# Altium PCB PCB1.PcbDoc (part 3 of 4)
Units mm, origin at the board's own origin, x right, y up, seen from the top; angles counter-clockwise.
Board outline 58.36 x 29.25 mm, 4 copper layers (Top Layer, Int1 (GND), Int2 (PWR), Bottom Layer), stack 1.586 mm thick; 90 components, 72 nets, 321 pads, 257 vias.
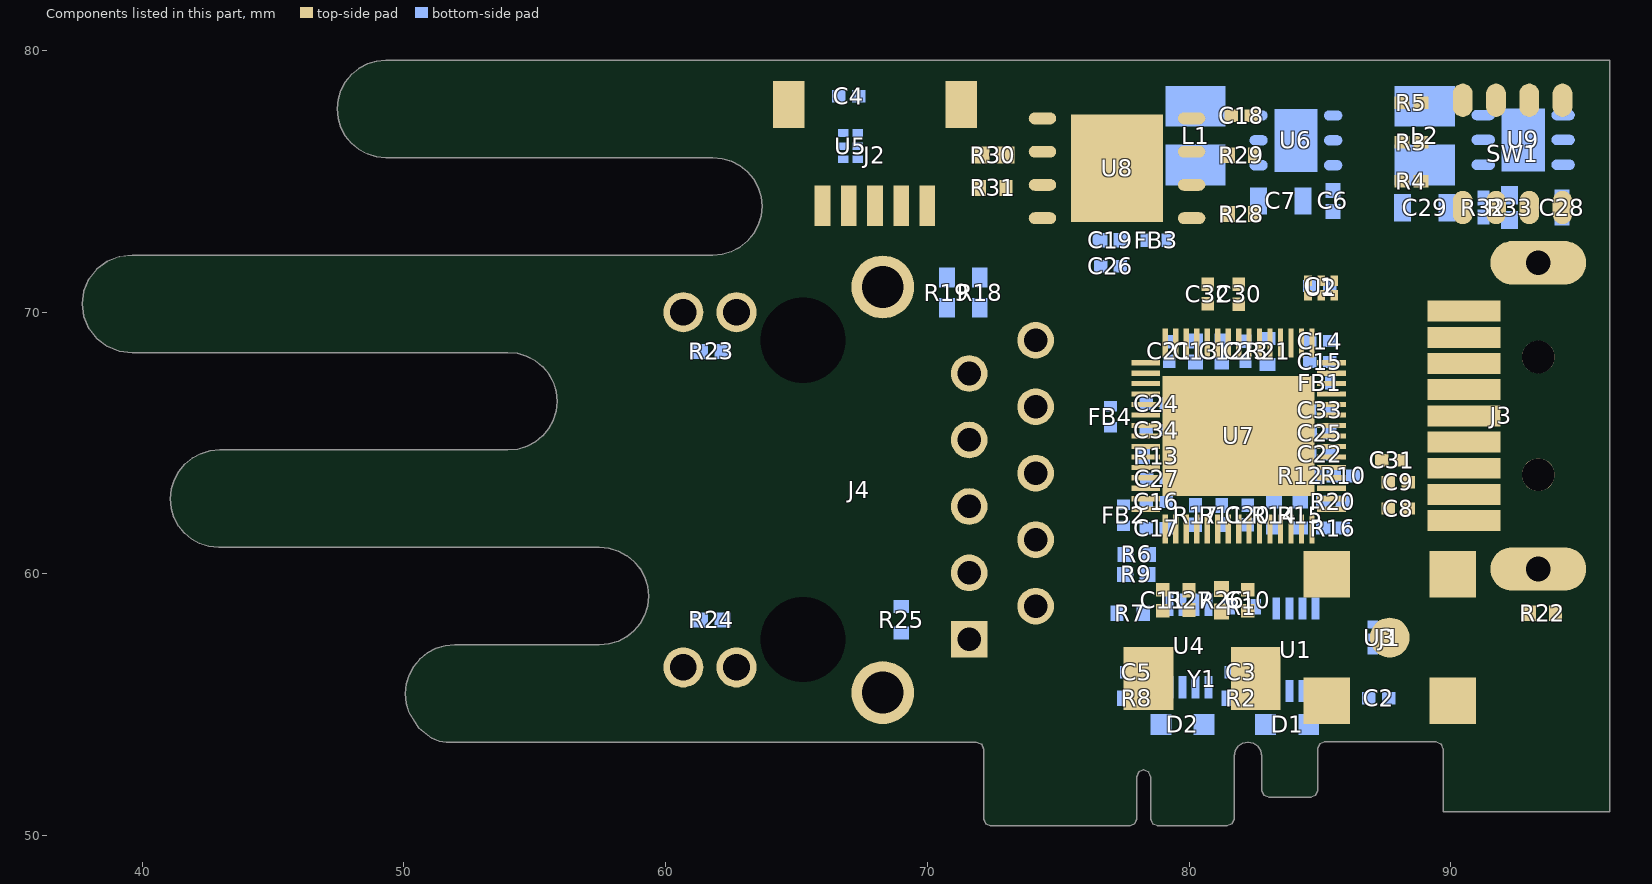
[diagram p5: the components of this part, seen from the top]

## Via types
v1: diameter 0.5, hole 0.3, Top Layer to Bottom Layer, tented both sides, 181 vias
v2: diameter 0.6, hole 0.3, Top Layer to Bottom Layer, tented bottom, 32 vias
v3: diameter 0.6, hole 0.3, Top Layer to Bottom Layer, tented both sides, 14 vias
v4: diameter 0.4, hole 0.3, Top Layer to Bottom Layer, tented both sides, 11 vias
v5: diameter 0.48, hole 0.3, Top Layer to Bottom Layer, tented both sides, 10 vias
v6: diameter 0.45, hole 0.3, Top Layer to Bottom Layer, tented both sides, 5 vias
v7: diameter 0.5, hole 0.3, Top Layer to Bottom Layer, tented bottom, 2 vias
v8: diameter 0.5, hole 0.3, Top Layer to Bottom Layer, 2 vias

## Nets (pads, with @x,y where several pads share a name; then routed paths per layer and width w, separated by ;. In a path a pad name is that pad's centre, name@x,y a point inside that pad or via, vN(x,y) a via of type N, cw(c..) or ccw(c..) an arc to the next point about the centre after c; other vN are vias at no path point) (continued)
copper on no net: (continued)
  Bottom Layer w0.013: 51.52,77.931 51.709,77.936 51.899,77.932 51.978,77.923 51.965,77.907 51.934,77.889 51.902,77.866 51.901,77.837 51.924,77.799 51.966,77.75 52.008,77.707 52.037,77.689 52.139,77.621 52.268,77.517 52.304,77.496 52.322,77.498 52.34,77.507 52.378,77.551 52.419,77.63 52.468,77.741 52.489,77.804 52.483,77.843 52.454,77.877 52.408,77.931 52.519,77.937 52.673,77.927 52.698,77.918 52.711,77.906 52.71,77.891 52.695,77.876 52.685,77.864 52.687,77.849 52.688,77.837 52.677,77.832 52.666,77.827 52.668,77.814 52.671,77.801 52.663,77.796 52.645,77.775 52.623,77.724 52.602,77.674 52.585,77.653 52.575,77.649 52.573,77.639 52.559,77.596 52.523,77.517 52.449,77.387 52.426,77.346 52.31,77.09 52.193,76.833 52.18,76.807 52.115,76.698 52.064,76.614 52.042,76.599 52.016,76.595 51.875,76.584 51.803,76.58 51.786,76.584 51.781,76.593 51.79,76.612 51.812,76.626 51.866,76.662 51.93,76.727 51.993,76.81 52.046,76.9 52.086,76.972 52.148,77.082 52.193,77.193 52.2,77.219 52.217,77.244 52.267,77.321 52.28,77.352 52.281,77.374 52.267,77.395 52.236,77.424 52.166,77.473 52.115,77.511 51.951,77.636 51.804,77.742 51.772,77.76 51.684,77.813 51.605,77.856 51.524,77.887 ; 59.251,78.553 59.256,78.674 59.122,78.674 58.989,78.674 58.983,78.565 58.982,78.481 58.99,78.432 58.994,78.411 58.983,78.395 58.971,78.391 58.974,78.401 58.977,78.418 58.968,78.432 58.954,78.472 58.95,78.547 58.956,78.624 58.971,78.671 58.983,78.688 58.97,78.692 58.96,78.696 58.954,78.707 58.952,78.75 58.95,78.795 58.942,78.805 58.931,78.809 58.925,78.812 58.938,78.821 59.006,78.849 59.093,78.878 59.161,78.893 59.178,78.893 59.173,78.888 59.105,78.865 59.04,78.846 59.004,78.828 58.988,78.806 58.982,78.771 58.983,78.7 59.124,78.692 59.257,78.692 59.252,78.803 59.254,78.888 59.26,78.91 59.269,78.918 59.281,78.919 59.277,78.915 59.267,78.875 59.269,78.799 59.28,78.725 59.288,78.701 59.296,78.692 59.306,78.688 59.294,78.677 59.283,78.663 59.277,78.638 59.276,78.547 59.287,78.45 59.3,78.433 59.321,78.426 59.35,78.414 59.361,78.391 59.358,78.374 59.348,78.378 59.293,78.42 59.261,78.434 59.256,78.431 59.258,78.422 59.255,78.412 59.236,78.406 59.139,78.406 59.012,78.413 59.129,78.423 59.245,78.432 59.251,78.553 ; 59.251,78.553 59.256,78.656 59.121,78.656 58.985,78.656 58.985,78.548 58.985,78.44 59.115,78.445 59.245,78.45 59.251,78.553 ; 51.604,77.886 51.606,77.9 51.623,77.914 51.634,77.918 51.63,77.906 51.627,77.896 51.631,77.892 51.668,77.895 51.701,77.9 51.692,77.888 51.677,77.871 51.679,77.855 51.681,77.851 51.676,77.85 51.647,77.858 51.618,77.872 51.604,77.886 ; 51.687,77.875 51.718,77.843 51.763,77.811 51.794,77.797 51.816,77.786 51.84,77.76 51.861,77.739 51.878,77.737 51.889,77.735 51.9,77.713 51.916,77.686 51.944,77.678 51.97,77.684 51.979,77.697 51.971,77.712 51.946,77.726 51.917,77.754 51.901,77.799 51.901,77.846 51.921,77.881 51.936,77.9 51.902,77.904 51.866,77.909 51.844,77.921 51.823,77.935 51.79,77.939 51.757,77.934 51.736,77.921 51.722,77.912 51.704,77.916 51.696,77.916 51.707,77.898 51.723,77.874 51.699,77.878 51.687,77.88 51.687,77.875 ; 51.917,76.62 51.93,76.601 51.966,76.596 51.991,76.599 51.981,76.611 51.972,76.619 51.973,76.626 52.004,76.638 52.042,76.644 52.065,76.642 52.073,76.65 52.072,76.682 52.074,76.725 52.093,76.755 52.113,76.78 52.122,76.805 52.129,76.822 52.146,76.823 52.162,76.825 52.162,76.853 52.167,76.899 52.189,76.953 52.219,76.998 52.249,77.017 52.265,77.026 52.269,77.048 52.273,77.081 52.291,77.118 52.313,77.146 52.333,77.151 52.335,77.15 52.323,77.157 52.31,77.176 52.319,77.206 52.336,77.229 52.351,77.238 52.384,77.24 52.385,77.247 52.375,77.256 52.367,77.272 52.374,77.305 52.439,77.449 52.507,77.572 52.533,77.609 52.548,77.621 52.56,77.625 52.559,77.64 52.561,77.678 52.579,77.73 52.604,77.776 52.627,77.796 52.638,77.799 52.636,77.807 52.633,77.826 52.643,77.854 52.653,77.886 52.652,77.915 52.629,77.934 52.583,77.937 52.525,77.929 52.501,77.899 52.487,77.868 52.504,77.829 52.52,77.788 52.515,77.751 52.504,77.733 52.499,77.739 52.494,77.753 52.483,77.753 52.475,77.731 52.476,77.691 52.476,77.657 52.466,77.631 52.446,77.614 52.417,77.608 52.411,77.604 52.42,77.594 52.433,77.578 52.433,77.558 52.407,77.515 52.36,77.484 52.335,77.479 52.313,77.486 52.303,77.487 52.315,77.47 52.328,77.446 52.319,77.434 52.305,77.423 52.295,77.399 52.284,77.316 52.278,77.288 52.262,77.287 52.251,77.291 52.253,77.281 52.259,77.258 52.254,77.234 52.242,77.216 52.228,77.214 52.217,77.212 52.206,77.192 52.189,77.097 52.179,77.065 52.161,77.052 52.138,77.044 52.122,77.025 52.116,77 52.125,76.977 52.131,76.965 52.129,76.955 52.095,76.936 52.059,76.916 52.059,76.905 52.068,76.89 52.081,76.871 52.058,76.876 52.037,76.88 52.039,76.867 52.044,76.846 52.038,76.824 52.027,76.812 52.023,76.828 52.019,76.844 52.009,76.834 52.003,76.812 52.006,76.787 51.997,76.75 51.96,76.696 51.927,76.652 51.917,76.62 ; 52.146,77.512 52.157,77.535 52.169,77.558 52.172,77.58 52.172,77.59 52.18,77.587 52.189,77.569 52.193,77.542 52.199,77.519 52.212,77.509 52.222,77.504 52.22,77.491 52.219,77.468 52.232,77.441 52.247,77.42 52.225,77.435 52.203,77.46 52.193,77.485 52.188,77.502 52.175,77.509 52.164,77.503 52.162,77.488 52.162,77.478 52.151,77.489 52.146,77.512 ; 52.193,76.616 52.244,76.601 52.356,76.587 52.471,76.581 52.531,76.586 52.53,76.599 52.512,76.615 52.468,76.644 52.442,76.676 52.43,76.714 52.432,76.762 52.443,76.816 52.457,76.844 52.519,76.954 52.57,77.07 52.592,77.105 52.605,77.116 52.619,77.12 52.664,77.104 52.699,77.081 52.713,77.061 52.721,77.048 52.74,77.043 52.759,77.037 52.767,77.022 52.77,77.011 52.778,77.012 52.798,77.008 52.831,76.984 52.906,76.919 52.924,76.909 52.934,76.912 52.948,76.907 52.967,76.884 52.988,76.857 53.006,76.846 53.037,76.827 53.083,76.781 53.127,76.728 53.151,76.687 53.151,76.655 53.135,76.625 53.107,76.59 53.376,76.584 53.645,76.595 53.519,76.656 53.431,76.697 53.394,76.723 53.388,76.734 53.374,76.739 53.24,76.81 53.107,76.898 53.019,76.961 52.877,77.073 52.827,77.115 52.794,77.133 52.762,77.148 52.716,77.184 52.671,77.235 52.669,77.256 52.676,77.281 52.693,77.317 52.712,77.338 52.725,77.357 52.731,77.385 52.736,77.409 52.749,77.42 52.761,77.424 52.764,77.433 52.768,77.461 52.785,77.504 52.831,77.583 52.852,77.615 52.865,77.651 52.894,77.711 52.952,77.784 53.021,77.85 53.081,77.888 53.125,77.908 53.143,77.925 53.108,77.936 53.026,77.939 52.935,77.935 52.871,77.923 52.836,77.885 52.771,77.775 52.511,77.269 52.193,76.616 ; 52.258,76.658 52.268,76.706 52.29,76.797 52.298,76.816 52.309,76.815 52.317,76.814 52.314,76.832 52.311,76.853 52.329,76.852 52.347,76.851 52.355,76.862 52.348,76.876 52.332,76.882 52.327,76.885 52.331,76.892 52.359,76.913 52.397,76.947 52.423,76.989 52.432,77.03 52.42,77.062 52.409,77.077 52.425,77.07 52.442,77.065 52.439,77.084 52.437,77.104 52.454,77.103 52.466,77.101 52.474,77.107 52.48,77.147 52.488,77.189 52.509,77.212 52.528,77.229 52.529,77.259 52.526,77.281 52.533,77.286 52.552,77.301 52.579,77.348 52.606,77.399 52.626,77.42 52.635,77.432 52.634,77.463 52.636,77.498 52.663,77.515 52.685,77.528 52.687,77.544 52.684,77.557 52.695,77.563 52.706,77.568 52.704,77.581 52.702,77.594 52.714,77.599 52.727,77.611 52.727,77.642 52.726,77.674 52.745,77.675 52.758,77.672 52.765,77.677 52.763,77.712 52.762,77.747 52.774,77.76 52.8,77.779 52.834,77.823 52.871,77.867 52.903,77.886 52.922,77.893 52.922,77.912 52.92,77.925 52.927,77.934 52.977,77.939 53.042,77.939 52.99,77.883 52.951,77.838 52.982,77.85 53.027,77.873 52.984,77.827 52.946,77.796 52.914,77.791 52.894,77.792 52.897,77.763 52.9,77.738 52.892,77.733 52.879,77.73 52.865,77.711 52.856,77.683 52.855,77.655 52.853,77.641 52.842,77.642 52.826,77.641 52.814,77.625 52.811,77.608 52.821,77.608 52.83,77.608 52.828,77.592 52.813,77.576 52.79,77.576 52.776,77.579 52.769,77.575 52.77,77.54 52.772,77.5 52.762,77.47 52.752,77.459 52.756,77.478 52.759,77.5 52.753,77.509 52.729,77.476 52.691,77.397 52.629,77.247 52.626,77.227 52.638,77.23 52.654,77.231 52.659,77.214 52.665,77.196 52.682,77.196 52.688,77.196 52.671,77.18 52.651,77.155 52.651,77.131 52.656,77.118 52.64,77.125 52.611,77.139 52.585,77.144 52.563,77.14 52.548,77.127 52.535,77.082 52.54,77.069 52.552,77.07 52.558,77.072 52.559,77.066 52.55,77.037 52.528,77.007 52.505,77.002 52.486,76.999 52.48,76.974 52.485,76.948 52.498,76.94 52.503,76.933 52.49,76.909 52.469,76.887 52.462,76.9 52.459,76.904 52.451,76.896 52.425,76.848 52.401,76.782 52.403,76.764 52.412,76.754 52.423,76.742 52.404,76.739 52.382,76.733 52.373,76.721 52.378,76.708 52.392,76.703 52.403,76.695 52.402,76.676 52.403,76.655 52.431,76.648 52.46,76.645 52.436,76.633 52.357,76.625 52.27,76.639 52.261,76.646 52.258,76.658 ; 52.682,77.111 52.709,77.128 52.736,77.142 52.747,77.155 52.752,77.156 52.764,77.137 52.78,77.117 52.792,77.111 52.816,77.114 52.815,77.108 52.794,77.097 52.768,77.084 52.797,77.08 52.827,77.075 52.845,77.063 52.849,77.049 52.834,77.037 52.829,77.03 52.847,77.027 52.87,77.022 52.859,77.01 52.844,76.994 52.84,76.979 52.834,76.982 52.812,77.013 52.782,77.046 52.757,77.054 52.732,77.058 52.703,77.08 52.682,77.111 ; 52.874,76.974 52.881,76.986 52.899,76.988 52.954,76.962 52.977,76.941 52.96,76.936 52.901,76.948 52.882,76.96 52.874,76.974 ; 53.076,76.851 53.082,76.86 53.094,76.864 53.101,76.872 53.095,76.89 53.088,76.906 53.103,76.895 53.119,76.873 53.125,76.85 53.132,76.834 53.15,76.834 53.171,76.831 53.185,76.807 53.199,76.782 53.222,76.78 53.249,76.778 53.276,76.754 53.3,76.731 53.321,76.729 53.335,76.73 53.34,76.715 53.351,76.694 53.376,76.68 53.403,76.667 53.411,76.651 53.4,76.637 53.372,76.63 53.342,76.626 53.367,76.612 53.378,76.605 53.373,76.602 53.313,76.606 53.244,76.618 53.205,76.632 53.184,76.638 53.161,76.626 53.145,76.614 53.159,76.635 53.181,76.655 53.199,76.657 53.21,76.654 53.215,76.663 53.195,76.69 53.147,76.733 53.107,76.775 53.082,76.817 53.076,76.851 ; 53.258,77.924 53.279,77.934 53.344,77.936 53.482,77.929 53.564,77.914 53.59,77.902 53.607,77.886 53.624,77.841 53.662,77.743 53.717,77.608 53.752,77.518 53.806,77.393 53.879,77.231 53.913,77.16 53.932,77.077 53.968,76.99 54.023,76.864 54.088,76.706 54.126,76.605 54.069,76.595 53.96,76.587 53.854,76.584 53.806,76.589 53.822,76.612 53.86,76.647 53.887,76.672 53.904,76.701 53.912,76.736 53.908,76.782 53.868,76.92 53.779,77.142 53.676,77.397 53.659,77.438 53.645,77.455 53.636,77.462 53.632,77.478 53.591,77.583 53.51,77.745 53.473,77.796 53.424,77.842 53.37,77.878 53.319,77.898 53.28,77.91 53.258,77.924 ; 53.456,77.841 53.462,77.873 53.492,77.897 53.516,77.906 53.533,77.904 53.548,77.888 53.567,77.857 53.594,77.817 53.604,77.813 53.613,77.819 53.622,77.827 53.628,77.819 53.628,77.756 53.634,77.722 53.653,77.685 53.673,77.661 53.681,77.662 53.69,77.656 53.708,77.617 53.726,77.569 53.705,77.59 53.682,77.614 53.688,77.577 53.689,77.534 53.661,77.508 53.635,77.497 53.635,77.507 53.638,77.521 53.63,77.527 53.62,77.538 53.622,77.564 53.622,77.602 53.609,77.642 53.59,77.672 53.58,77.679 53.571,77.678 53.563,77.679 53.566,77.695 53.566,77.717 53.554,77.734 53.541,77.739 53.547,77.723 53.554,77.707 53.531,77.723 53.512,77.745 53.522,77.761 53.532,77.778 53.515,77.803 53.479,77.83 53.469,77.83 53.468,77.818 53.469,77.804 53.466,77.806 53.456,77.841 ; 53.682,77.436 53.689,77.487 53.701,77.505 53.718,77.515 53.745,77.517 53.746,77.5 53.744,77.479 53.752,77.464 53.761,77.45 53.759,77.43 53.759,77.409 53.772,77.392 53.785,77.387 53.779,77.402 53.774,77.416 53.785,77.413 53.795,77.396 53.793,77.371 53.79,77.352 53.808,77.357 53.824,77.365 53.81,77.344 53.797,77.32 53.805,77.304 53.819,77.3 53.826,77.307 53.829,77.297 53.833,77.254 53.85,77.18 53.885,77.093 53.922,77.022 53.938,77.002 53.949,76.998 53.963,76.996 53.974,76.98 53.977,76.963 53.968,76.963 53.959,76.963 53.956,76.953 53.961,76.914 53.978,76.865 54.001,76.831 54.02,76.81 54.026,76.791 54.027,76.779 54.037,76.774 54.046,76.763 54.044,76.736 54.041,76.71 54.053,76.709 54.064,76.708 54.062,76.685 54.046,76.66 54.02,76.649 53.991,76.643 53.977,76.631 53.982,76.618 54.007,76.612 54.029,76.608 54.025,76.601 53.991,76.596 53.955,76.605 53.925,76.624 53.908,76.65 53.906,76.677 53.924,76.678 53.936,76.677 53.944,76.689 53.948,76.762 53.944,76.826 53.939,76.831 53.932,76.819 53.921,76.8 53.914,76.802 53.913,76.871 53.904,76.935 53.877,77.023 53.845,77.1 53.82,77.133 53.81,77.14 53.806,77.157 53.794,77.188 53.766,77.23 53.744,77.257 53.742,77.261 53.748,77.257 53.766,77.246 53.77,77.265 53.758,77.297 53.728,77.331 53.695,77.379 53.682,77.436 ; 53.683,77.912 53.722,77.924 53.793,77.935 53.887,77.937 53.968,77.933 54.003,77.921 53.998,77.909 53.984,77.904 53.957,77.894 53.934,77.869 53.918,77.831 53.911,77.784 53.913,77.719 53.922,77.659 53.935,77.616 53.951,77.599 53.962,77.595 53.965,77.585 53.975,77.538 54.052,77.339 54.141,77.122 54.25,76.882 54.3,76.797 54.366,76.715 54.429,76.655 54.453,76.641 54.469,76.64 54.482,76.642 54.487,76.632 54.498,76.619 54.523,76.613 54.548,76.608 54.559,76.595 54.548,76.583 54.512,76.578 54.34,76.589 54.24,76.605 54.219,76.617 54.208,76.635 54.154,76.767 54.109,76.878 54.083,76.936 54.023,77.079 53.928,77.322 53.841,77.514 53.816,77.572 53.806,77.617 53.8,77.642 53.785,77.653 53.773,77.656 53.774,77.663 53.766,77.705 53.733,77.792 53.683,77.912 ; 53.736,77.791 53.749,77.803 53.763,77.82 53.764,77.84 53.763,77.864 53.777,77.884 53.803,77.898 53.837,77.904 53.86,77.902 53.871,77.894 53.868,77.841 53.865,77.787 53.878,77.751 53.89,77.731 53.88,77.724 53.866,77.718 53.86,77.704 53.868,77.694 53.888,77.695 53.904,77.698 53.905,77.689 53.903,77.675 53.91,77.664 53.919,77.641 53.918,77.601 53.922,77.549 53.954,77.503 53.981,77.467 53.984,77.443 53.985,77.406 54.01,77.339 54.064,77.198 54.08,77.161 54.092,77.156 54.107,77.159 54.124,77.164 54.124,77.158 54.123,77.14 54.136,77.111 54.151,77.076 54.151,77.039 54.148,77.013 54.165,77.017 54.181,77.021 54.177,77.001 54.175,76.979 54.191,76.972 54.202,76.968 54.208,76.958 54.206,76.909 54.204,76.862 54.216,76.844 54.255,76.839 54.265,76.833 54.255,76.818 54.25,76.806 54.255,76.79 54.299,76.741 54.343,76.704 54.362,76.696 54.37,76.697 54.389,76.685 54.408,76.664 54.414,76.647 54.408,76.635 54.388,76.631 54.371,76.626 54.371,76.613 54.372,76.598 54.355,76.596 54.331,76.604 54.308,76.622 54.285,76.641 54.261,76.649 54.244,76.656 54.236,76.673 54.225,76.702 54.197,76.739 54.168,76.783 54.162,76.832 54.16,76.867 54.149,76.882 54.138,76.873 54.14,76.851 54.144,76.831 54.132,76.844 54.122,76.877 54.123,76.92 54.123,76.957 54.111,76.972 54.1,76.966 54.104,76.951 54.107,76.939 54.095,76.943 54.083,76.963 54.085,76.993 54.089,77.017 54.08,77.019 54.061,77.025 54.042,77.054 54.032,77.083 54.033,77.089 54.039,77.088 54.053,77.086 54.056,77.099 54.035,77.156 54.019,77.178 54.014,77.179 54.011,77.173 54.004,77.159 53.996,77.182 53.97,77.238 53.958,77.265 53.959,77.27 53.966,77.268 53.98,77.265 53.985,77.274 53.964,77.342 53.95,77.37 53.944,77.376 53.942,77.372 53.927,77.338 53.918,77.337 53.913,77.354 53.913,77.426 53.91,77.447 53.897,77.447 53.885,77.445 53.877,77.455 53.877,77.516 53.875,77.536 53.864,77.539 53.846,77.545 53.827,77.574 53.817,77.603 53.818,77.609 53.824,77.608 53.838,77.605 53.841,77.619 53.82,77.676 53.803,77.699 53.796,77.688 53.793,77.674 53.789,77.681 53.782,77.742 53.773,77.775 53.752,77.787 53.736,77.791 ; 54.308,77.9 54.365,77.918 54.501,77.938 54.751,77.962 54.805,77.961 54.855,77.951 55.041,77.896 55.12,77.865 55.163,77.84 55.226,77.784 55.262,77.749 55.292,77.708 55.333,77.618 55.341,77.573 55.342,77.531 55.334,77.493 55.316,77.463 55.266,77.429 55.179,77.385 55.09,77.346 55.033,77.33 54.975,77.313 54.888,77.27 54.802,77.218 54.743,77.172 54.713,77.136 54.696,77.106 54.69,77.072 54.692,77.024 54.701,76.961 54.717,76.908 54.743,76.861 54.779,76.815 54.801,76.783 54.803,76.764 54.788,76.761 54.759,76.781 54.71,76.811 54.68,76.841 54.631,76.914 54.58,77.016 54.569,77.064 54.565,77.119 54.564,77.176 54.57,77.213 54.587,77.24 54.617,77.269 54.685,77.315 54.772,77.363 54.85,77.398 54.889,77.406 54.902,77.405 54.921,77.416 55.04,77.471 55.148,77.524 55.181,77.552 55.199,77.581 55.205,77.612 55.196,77.646 55.174,77.682 55.139,77.721 55.074,77.768 54.99,77.803 54.888,77.824 54.77,77.832 54.667,77.822 54.577,77.797 54.512,77.762 54.494,77.742 54.487,77.721 54.481,77.698 54.468,77.688 54.46,77.684 54.456,77.669 54.46,77.612 54.465,77.553 54.458,77.554 54.443,77.571 54.365,77.736 54.325,77.84 54.308,77.9 ; 54.372,77.755 54.376,77.731 54.378,77.728 54.392,77.733 54.421,77.725 54.444,77.719 54.46,77.723 54.485,77.771 54.511,77.817 54.526,77.828 54.543,77.832 54.566,77.826 54.566,77.812 54.564,77.8 54.588,77.811 54.606,77.825 54.604,77.832 54.599,77.837 54.612,77.849 54.638,77.856 54.665,77.844 54.683,77.832 54.677,77.847 54.672,77.859 54.68,77.864 54.739,77.859 54.916,77.841 54.979,77.836 54.992,77.835 54.989,77.833 54.971,77.829 54.989,77.814 55.034,77.797 55.039,77.802 55.025,77.814 55.008,77.828 55.029,77.832 55.051,77.826 55.061,77.814 55.069,77.801 55.088,77.796 55.111,77.801 55.113,77.814 55.095,77.829 55.062,77.841 55.025,77.855 55.018,77.865 55.018,77.876 55.018,77.897 55.005,77.913 54.993,77.918 54.996,77.907 54.993,77.887 54.969,77.866 54.939,77.855 54.941,77.875 54.94,77.897 54.908,77.904 54.877,77.907 54.864,77.917 54.82,77.925 54.716,77.925 54.606,77.925 54.589,77.93 54.595,77.94 54.607,77.953 54.577,77.947 54.483,77.91 54.447,77.897 54.433,77.903 54.44,77.916 54.454,77.921 54.466,77.925 54.463,77.934 54.453,77.937 54.44,77.932 54.412,77.903 54.39,77.862 54.384,77.822 54.386,77.794 54.38,77.787 54.373,77.78 54.372,77.755 ; 54.582,77.218 54.607,77.223 54.638,77.23 54.664,77.248 54.679,77.27 54.677,77.292 54.675,77.308 54.687,77.323 54.699,77.327 54.695,77.315 54.69,77.299 54.705,77.296 54.8,77.33 54.858,77.362 54.871,77.375 54.871,77.386 54.869,77.399 54.883,77.398 54.908,77.399 54.932,77.414 54.957,77.429 54.98,77.419 55,77.41 55.014,77.417 55.015,77.432 55.003,77.444 54.99,77.451 55.001,77.454 55.019,77.45 55.033,77.439 55.055,77.432 55.088,77.444 55.116,77.466 55.123,77.489 55.121,77.505 55.141,77.491 55.162,77.478 55.158,77.496 55.16,77.523 55.181,77.548 55.205,77.574 55.216,77.603 55.224,77.672 55.232,77.686 55.246,77.694 55.257,77.694 55.269,77.684 55.292,77.642 55.312,77.599 55.328,77.581 55.339,77.568 55.343,77.538 55.336,77.507 55.309,77.505 55.286,77.506 55.276,77.496 55.234,77.431 55.204,77.403 55.173,77.385 55.14,77.379 55.105,77.384 55.075,77.384 55.037,77.375 55.003,77.361 54.989,77.346 54.985,77.335 54.976,77.332 54.934,77.33 54.923,77.321 54.922,77.308 54.918,77.292 54.904,77.285 54.889,77.288 54.886,77.295 54.872,77.298 54.832,77.29 54.791,77.275 54.774,77.258 54.783,77.25 54.805,77.252 54.824,77.256 54.802,77.236 54.77,77.219 54.743,77.218 54.732,77.217 54.721,77.209 54.7,77.171 54.681,77.131 54.664,77.115 54.654,77.11 54.656,77.099 54.66,77.078 54.655,77.052 54.642,77.036 54.628,77.046 54.617,77.077 54.613,77.125 54.606,77.17 54.591,77.201 54.582,77.218 ; 54.79,77.036 54.797,77.068 54.817,77.099 54.887,77.161 54.997,77.218 55.141,77.268 55.285,77.317 55.335,77.342 55.372,77.37 55.399,77.401 55.416,77.438 55.424,77.481 55.426,77.532 55.419,77.612 55.404,77.657 55.383,77.692 55.388,77.704 55.4,77.704 55.437,77.675 55.48,77.622 55.512,77.563 55.528,77.525 55.542,77.509 55.548,77.502 55.55,77.482 55.544,77.42 55.529,77.351 55.509,77.303 55.457,77.264 55.364,77.214 55.254,77.167 55.15,77.132 55.061,77.099 55.002,77.066 54.962,77.038 54.937,77 54.927,76.955 54.936,76.908 54.966,76.859 55.018,76.802 55.078,76.751 55.132,76.718 55.215,76.694 55.311,76.682 55.403,76.682 55.47,76.695 55.553,76.744 55.61,76.809 55.64,76.886 55.644,76.928 55.641,76.973 55.636,77.018 55.641,77.039 55.655,77.038 55.682,77.016 55.697,76.997 55.697,76.99 55.699,76.97 55.72,76.922 55.79,76.743 55.816,76.656 55.821,76.615 55.756,76.609 55.682,76.6 55.641,76.588 55.57,76.578 55.362,76.572 55.223,76.583 55.124,76.611 55.033,76.648 54.999,76.671 54.928,76.728 54.895,76.759 54.881,76.786 54.876,76.803 54.864,76.81 54.849,76.816 54.835,76.831 54.81,76.884 54.794,76.957 54.79,77.036 ; 54.797,76.952 54.807,76.976 54.817,76.999 54.807,77.03 54.798,77.053 54.806,77.055 54.824,77.054 54.844,77.069 54.862,77.095 54.873,77.128 54.882,77.16 54.883,77.144 54.89,77.137 54.912,77.142 55.002,77.176 55.044,77.193 55.061,77.208 55.052,77.214 55.031,77.21 55.012,77.207 55.013,77.217 55.043,77.228 55.103,77.227 55.168,77.226 55.184,77.235 55.193,77.252 55.202,77.271 55.204,77.27 55.213,77.262 55.235,77.262 55.258,77.274 55.267,77.294 55.27,77.31 55.281,77.299 55.299,77.287 55.322,77.289 55.339,77.302 55.341,77.322 55.345,77.34 55.366,77.353 55.394,77.372 55.418,77.41 55.435,77.463 55.445,77.527 55.449,77.56 55.452,77.55 55.459,77.521 55.472,77.509 55.488,77.491 55.501,77.447 55.513,77.405 55.527,77.393 55.535,77.39 55.535,77.37 55.53,77.351 55.525,77.348 55.522,77.348 55.519,77.337 55.51,77.311 55.49,77.285 55.465,77.266 55.441,77.258 55.425,77.262 55.426,77.272 55.421,77.276 55.393,77.268 55.361,77.251 55.347,77.236 55.338,77.227 55.314,77.223 55.245,77.21 55.16,77.179 55.081,77.14 55.03,77.101 55.002,77.073 54.993,77.069 54.99,77.074 54.982,77.087 54.963,77.086 54.948,77.071 54.948,77.048 54.951,77.031 54.941,77.031 54.932,77.03 54.926,77.019 54.921,76.976 54.925,76.923 54.94,76.883 54.953,76.864 54.927,76.882 54.9,76.9 54.904,76.878 54.909,76.856 54.903,76.847 54.888,76.851 54.867,76.868 54.844,76.881 54.839,76.885 54.827,76.936 54.822,76.945 54.818,76.927 54.814,76.901 54.801,76.924 54.797,76.952 ; 54.89,76.787 54.891,76.781 54.915,76.752 54.95,76.723 54.98,76.715 54.998,76.728 54.997,76.761 54.993,76.786 55.009,76.783 55.017,76.784 55.001,76.806 54.973,76.828 54.946,76.834 54.925,76.824 54.917,76.798 54.911,76.783 54.895,76.785 54.89,76.787 ; 55.043,76.684 55.05,76.696 55.067,76.697 55.094,76.686 55.149,76.668 55.162,76.672 55.159,76.685 55.157,76.698 55.169,76.703 55.181,76.696 55.182,76.681 55.158,76.659 55.115,76.646 55.072,76.646 55.048,76.661 55.043,76.684 ; 55.126,77.745 55.126,77.77 55.144,77.789 55.17,77.795 55.194,77.79 55.204,77.773 55.198,77.75 55.183,77.728 55.161,77.718 55.139,77.726 55.126,77.745 ; 55.205,76.631 55.211,76.644 55.235,76.65 55.39,76.649 55.489,76.652 55.504,76.66 55.503,76.674 55.5,76.696 55.508,76.711 55.521,76.712 55.53,76.701 55.547,76.692 55.587,76.705 55.612,76.719 55.626,76.733 55.631,76.753 55.63,76.78 55.632,76.825 55.645,76.838 55.668,76.849 55.705,76.867 55.73,76.888 55.739,76.895 55.735,76.878 55.734,76.855 55.747,76.846 55.759,76.842 55.746,76.831 55.733,76.812 55.734,76.787 55.748,76.769 55.764,76.768 55.774,76.771 55.767,76.755 55.758,76.725 55.757,76.689 55.758,76.668 55.75,76.656 55.698,76.649 55.65,76.643 55.638,76.635 55.634,76.624 55.622,76.604 55.594,76.589 55.564,76.584 55.589,76.606 55.606,76.621 55.604,76.627 55.527,76.621 55.352,76.595 55.298,76.591 55.276,76.598 55.265,76.609 55.24,76.613 55.214,76.619 55.205,76.631 ; 56.032,76.598 56.036,76.582 56.179,76.587 56.315,76.599 56.315,76.657 56.319,76.701 56.327,76.727 56.345,76.806 56.368,77.007 56.405,77.294 56.434,77.518 56.466,77.756 56.488,77.921 56.412,77.921 56.369,77.92 56.345,77.912 56.333,77.892 56.326,77.854 56.306,77.671 56.259,77.265 56.216,76.954 56.176,76.801 56.163,76.767 56.152,76.757 56.142,76.753 56.14,76.743 56.135,76.719 56.116,76.688 56.092,76.661 56.071,76.649 56.054,76.641 56.04,76.621 56.032,76.598 ; 56.137,76.631 56.169,76.687 56.197,76.732 56.214,76.778 56.218,76.814 56.214,76.824 56.205,76.828 56.199,76.831 56.2,76.839 56.218,76.867 56.235,76.89 56.227,76.891 56.21,76.886 56.214,76.907 56.226,76.947 56.243,76.945 56.256,76.942 56.261,76.952 56.256,76.967 56.243,76.981 56.231,76.995 56.226,77.013 56.231,77.021 56.244,77.007 56.257,76.998 56.259,77.034 56.268,77.142 56.274,77.177 56.263,77.16 56.249,77.137 56.245,77.154 56.25,77.179 56.263,77.197 56.274,77.222 56.271,77.269 56.268,77.315 56.272,77.326 56.281,77.33 56.289,77.334 56.293,77.345 56.29,77.391 56.287,77.44 56.299,77.465 56.311,77.465 56.307,77.435 56.301,77.407 56.315,77.424 56.333,77.476 56.343,77.549 56.343,77.622 56.332,77.673 56.322,77.719 56.341,77.787 56.367,77.84 56.393,77.87 56.417,77.877 56.435,77.857 56.447,77.839 56.463,77.853 56.472,77.862 56.466,77.841 56.451,77.754 56.446,77.722 56.441,77.716 56.435,77.718 56.431,77.716 56.428,77.703 56.429,77.647 56.431,77.59 56.423,77.572 56.415,77.552 56.413,77.492 56.41,77.432 56.405,77.417 56.398,77.415 56.39,77.416 56.394,77.404 56.396,77.382 56.382,77.358 56.364,77.317 56.354,77.253 56.355,77.194 56.36,77.176 56.369,77.169 56.382,77.163 56.387,77.151 56.38,77.139 56.364,77.137 56.355,77.135 56.347,77.122 56.338,77.07 56.338,77.02 56.343,77.02 56.352,77.034 56.362,77.049 56.357,77.007 56.342,76.913 56.337,76.894 56.328,76.893 56.32,76.877 56.32,76.822 56.319,76.763 56.309,76.739 56.301,76.726 56.304,76.696 56.304,76.659 56.27,76.642 56.239,76.629 56.226,76.613 56.217,76.6 56.198,76.595 56.181,76.601 56.183,76.616 56.185,76.629 56.166,76.626 56.144,76.622 56.137,76.631 ; 56.409,76.604 56.579,76.584 56.711,76.576 56.738,76.58 56.745,76.59 56.732,76.609 56.701,76.624 56.67,76.635 56.645,76.654 56.625,76.68 56.61,76.714 56.598,76.804 56.606,76.927 56.627,77.088 56.636,77.108 56.669,77.119 56.887,77.129 57.141,77.134 57.298,76.977 57.482,76.774 57.5,76.733 57.503,76.689 57.493,76.651 57.471,76.626 57.447,76.606 57.452,76.598 57.47,76.593 57.686,76.585 57.857,76.588 57.928,76.595 57.837,76.648 57.769,76.686 57.736,76.715 57.724,76.732 57.709,76.739 57.658,76.77 57.537,76.882 56.979,77.447 56.772,77.668 56.732,77.724 56.723,77.756 56.746,77.8 56.795,77.844 56.857,77.879 56.924,77.899 56.969,77.908 56.993,77.92 56.993,77.933 56.967,77.943 56.792,77.938 56.578,77.923 56.571,77.917 56.574,77.904 56.574,77.841 56.558,77.712 56.502,77.312 56.463,76.968 56.43,76.749 56.409,76.604 ; 56.43,76.654 56.432,76.69 56.45,76.783 56.455,76.816 56.457,76.819 56.463,76.814 56.476,76.828 56.486,76.882 56.494,76.978 56.498,77.068 56.493,77.102 56.489,77.116 56.493,77.164 56.499,77.184 56.512,77.16 56.526,77.135 56.529,77.164 56.525,77.193 56.512,77.205 56.5,77.212 56.494,77.231 56.501,77.247 56.518,77.248 56.529,77.247 56.537,77.255 56.545,77.298 56.556,77.415 56.556,77.458 56.542,77.474 56.532,77.478 56.545,77.489 56.56,77.519 56.559,77.579 56.557,77.629 56.566,77.644 56.575,77.662 56.576,77.718 56.575,77.774 56.58,77.782 56.587,77.776 56.599,77.764 56.599,77.787 56.603,77.826 56.622,77.864 56.65,77.893 56.682,77.905 56.709,77.908 56.683,77.921 56.666,77.934 56.711,77.938 56.758,77.933 56.776,77.917 56.783,77.869 56.779,77.849 56.754,77.842 56.727,77.831 56.718,77.801 56.711,77.766 56.695,77.739 56.674,77.704 56.682,77.684 56.704,77.662 56.729,77.643 56.751,77.635 56.756,77.638 56.754,77.646 56.73,77.671 56.705,77.696 56.704,77.706 56.741,77.679 56.809,77.613 56.854,77.562 56.855,77.558 56.839,77.571 56.803,77.601 56.785,77.606 56.785,77.583 56.799,77.529 56.816,77.468 56.773,77.511 56.75,77.537 56.749,77.542 56.755,77.539 56.774,77.534 56.781,77.542 56.776,77.557 56.759,77.575 56.727,77.588 56.66,77.584 56.644,77.571 56.638,77.547 56.642,77.519 56.657,77.5 56.666,77.485 56.654,77.463 56.64,77.435 56.633,77.435 56.624,77.426 56.62,77.396 56.631,77.297 56.642,77.242 56.85,77.24 57.051,77.239 57.061,77.259 57.074,77.264 57.092,77.258 57.15,77.215 57.232,77.151 57.242,77.141 57.252,77.116 57.253,77.092 57.232,77.093 57.211,77.096 57.229,77.069 57.236,77.054 57.206,77.078 57.172,77.117 57.157,77.149 57.149,77.164 57.114,77.173 56.911,77.177 56.745,77.173 56.645,77.158 56.615,77.145 56.597,77.128 56.587,77.107 56.585,77.079 56.589,77.047 56.602,77.07 56.615,77.096 56.619,77.068 56.608,77.034 56.583,77.005 56.565,76.99 56.555,76.975 56.559,76.927 56.572,76.889 56.586,76.91 56.597,76.932 56.601,76.914 56.596,76.89 56.584,76.873 56.571,76.849 56.567,76.81 56.571,76.771 56.585,76.747 56.593,76.732 56.581,76.708 56.569,76.681 56.593,76.656 56.61,76.642 56.612,76.635 56.565,76.629 56.503,76.627 56.563,76.613 56.611,76.608 56.624,76.613 56.632,76.624 56.646,76.639 56.671,76.632 56.69,76.617 56.668,76.614 56.648,76.608 56.647,76.594 56.649,76.586 56.64,76.583 56.591,76.588 56.487,76.605 56.468,76.608 56.476,76.612 56.485,76.619 56.461,76.632 56.43,76.654 ; 56.635,77.239 56.648,77.325 56.678,77.509 56.69,77.545 56.702,77.557 56.759,77.516 56.872,77.407 57.023,77.249 56.829,77.244 56.635,77.239 ; 56.819,77.931 56.838,77.937 56.896,77.939 56.953,77.935 56.968,77.929 56.97,77.923 56.945,77.915 56.898,77.914 56.849,77.92 56.819,77.931 ; 56.845,77.46 56.845,77.479 56.865,77.504 56.894,77.506 56.932,77.487 56.976,77.447 57.01,77.402 57.016,77.389 57.012,77.384 57.003,77.377 57.016,77.356 57.032,77.341 57.036,77.347 57.038,77.36 57.047,77.366 57.067,77.356 57.092,77.333 57.113,77.306 57.121,77.284 57.114,77.281 57.096,77.299 57.074,77.321 57.063,77.295 57.051,77.269 57.038,77.258 56.999,77.286 56.928,77.354 56.859,77.434 56.845,77.46 ; 57.473,76.793 57.516,76.833 57.559,76.873 57.524,76.83 57.506,76.803 57.506,76.798 57.512,76.8 57.549,76.794 57.609,76.758 57.693,76.706 57.708,76.706 57.702,76.723 57.699,76.735 57.711,76.731 57.723,76.718 57.722,76.703 57.721,76.689 57.731,76.676 57.743,76.661 57.737,76.647 57.717,76.636 57.685,76.631 57.654,76.626 57.641,76.613 57.632,76.601 57.61,76.596 57.589,76.599 57.605,76.613 57.62,76.627 57.594,76.631 57.561,76.638 57.535,76.656 57.524,76.677 57.534,76.694 57.541,76.702 57.539,76.714 57.514,76.75 57.473,76.793 ; 58.072,77.635 58.078,77.755 58.095,77.872 58.123,77.985 58.163,78.094 58.215,78.201 58.279,78.304 58.354,78.405 58.442,78.504 58.566,78.621 58.667,78.691 58.699,78.711 58.707,78.725 58.707,78.733 58.721,78.738 58.86,78.799 58.992,78.853 59.147,78.901 59.317,78.935 59.497,78.952 59.672,78.952 59.827,78.935 60.073,78.873 60.174,78.84 60.222,78.817 60.269,78.792 60.34,78.758 60.437,78.696 60.54,78.62 60.629,78.543 60.761,78.404 60.867,78.26 60.948,78.109 61.005,77.952 61.028,77.811 61.036,77.635 61.028,77.46 61.005,77.321 60.951,77.172 60.875,77.024 60.783,76.886 60.681,76.77 60.634,76.722 60.622,76.701 60.626,76.698 60.617,76.696 60.568,76.667 60.531,76.636 60.496,76.613 60.449,76.597 60.376,76.587 60.099,76.578 59.555,76.577 58.992,76.578 58.825,76.582 58.712,76.591 58.638,76.608 58.586,76.635 58.486,76.728 58.387,76.83 58.302,76.934 58.231,77.041 58.173,77.151 58.129,77.265 58.098,77.383 58.079,77.506 58.072,77.635 ; 58.078,77.607 58.08,77.727 58.092,77.829 58.101,77.862 58.111,77.879 58.121,77.878 58.119,77.856 58.104,77.744 58.107,77.677 58.117,77.661 58.135,77.651 58.161,77.639 58.134,77.636 58.115,77.632 58.105,77.616 58.102,77.514 58.105,77.393 58.086,77.5 58.078,77.607 ; 58.102,77.617 58.23,77.617 58.358,77.617 58.358,77.511 58.358,77.405 58.255,77.398 58.179,77.396 58.139,77.401 58.127,77.438 58.114,77.514 58.102,77.617 ; 58.111,77.714 58.116,77.788 58.128,77.886 58.231,77.886 58.307,77.882 58.346,77.874 58.355,77.838 58.358,77.768 58.351,77.689 58.339,77.673 58.318,77.664 58.26,77.655 58.197,77.653 58.143,77.659 58.115,77.672 58.111,77.714 ; 58.143,77.349 58.175,77.361 58.251,77.366 58.358,77.366 58.358,77.249 58.358,77.133 58.288,77.133 58.247,77.135 58.222,77.146 58.203,77.176 58.18,77.232 58.143,77.349 ; 58.143,77.935 58.175,77.925 58.251,77.921 58.358,77.921 58.358,78.03 58.358,78.139 58.285,78.133 58.243,78.128 58.217,78.116 58.198,78.088 58.177,78.038 58.143,77.935 ; 58.188,77.372 58.268,77.379 58.332,77.39 58.371,77.405 58.389,77.415 58.394,77.404 58.388,77.39 58.373,77.384 58.36,77.379 58.373,77.362 58.387,77.339 58.393,77.313 58.388,77.304 58.376,77.326 58.364,77.346 58.346,77.359 58.274,77.369 58.188,77.372 ; 58.206,77.91 58.283,77.917 58.361,77.924 58.356,78.039 58.357,78.117 58.364,78.142 58.373,78.101 58.376,78.017 58.376,77.904 58.291,77.907 58.206,77.91 ; 58.237,78.184 58.295,78.175 58.358,78.171 58.358,78.265 58.358,78.359 58.314,78.297 58.251,78.213 58.237,78.195 58.237,78.184 ; 58.251,77.082 58.305,77.092 58.36,77.096 58.355,77.002 58.349,76.909 58.3,76.993 58.251,77.082 ; 58.311,77.108 58.318,77.111 58.359,77.121 58.376,77.138 58.381,77.148 58.398,77.136 58.447,77.12 58.529,77.115 58.611,77.121 58.66,77.137 58.676,77.149 58.671,77.129 58.658,77.112 58.627,77.103 58.459,77.101 58.335,77.105 58.311,77.108 ; 58.33,78.382 58.342,78.398 58.355,78.402 58.351,78.39 58.347,78.376 58.357,78.369 58.365,78.363 58.37,78.344 58.373,78.275 58.37,78.181 58.363,78.262 58.353,78.325 58.338,78.363 58.33,78.382 ; 58.355,78.411 58.396,78.448 58.419,78.467 58.413,78.455 58.404,78.437 58.412,78.428 58.516,78.423 58.609,78.429 58.654,78.441 58.668,78.451 58.685,78.447 58.693,78.439 58.689,78.431 58.65,78.417 58.58,78.409 58.487,78.407 58.355,78.411 ; 58.362,77.701 58.371,77.671 58.378,77.701 58.376,77.774 58.367,77.877 58.362,77.774 58.362,77.701 ; 58.385,77.647 58.524,77.65 58.622,77.648 58.663,77.639 58.622,77.633 58.524,77.636 58.385,77.647 ; 58.403,77.628 58.524,77.631 58.621,77.628 58.645,77.621 58.655,77.61 58.658,77.498 58.651,77.411 58.648,77.513 58.645,77.615 58.524,77.621 58.403,77.628 ; 58.409,77.751 58.415,77.653 58.502,77.653 58.581,77.656 58.624,77.671 58.642,77.709 58.645,77.78 58.645,77.886 58.53,77.886 58.447,77.88 58.409,77.868 58.409,77.751 ; 58.41,78.18 58.412,78.292 58.421,78.396 58.533,78.402 58.645,78.407 58.645,78.29 58.645,78.172 58.531,78.172 58.41,78.18 ; 58.412,76.992 58.415,76.922 58.422,76.9 58.433,76.885 58.477,76.874 58.56,76.878 58.645,76.886 58.645,76.991 58.645,77.097 58.528,77.097 58.412,77.097 58.412,76.992 ; 58.412,77.133 58.412,77.249 58.412,77.366 58.528,77.366 58.645,77.366 58.645,77.249 58.645,77.133 58.528,77.133 58.412,77.133 ; 58.412,77.402 58.412,77.509 58.412,77.617 58.528,77.617 58.645,77.617 58.645,77.509 58.645,77.402 58.528,77.402 58.412,77.402 ; 58.412,77.921 58.528,77.921 58.645,77.921 58.645,78.029 58.645,78.136 58.528,78.136 58.412,78.136 58.412,78.029 58.412,77.921 ; 58.423,76.828 58.534,76.828 58.645,76.828 58.645,76.727 58.645,76.625 58.596,76.673 58.485,76.775 58.423,76.828 ; 58.439,78.154 58.442,78.162 58.46,78.168 58.536,78.172 58.613,78.167 58.645,78.154 58.616,78.142 58.547,78.136 58.475,78.142 58.439,78.154 ; 58.439,78.459 58.453,78.469 58.47,78.466 58.48,78.462 58.477,78.473 58.48,78.486 58.495,78.507 58.552,78.564 58.639,78.637 58.643,78.539 58.647,78.441 58.537,78.441 58.459,78.446 58.442,78.452 58.439,78.459 ; 58.493,76.859 58.578,76.847 58.634,76.845 58.675,76.852 58.694,76.867 58.686,76.888 58.672,76.892 58.656,76.882 58.622,76.869 58.565,76.862 58.493,76.859 ; 58.585,76.653 58.616,76.626 58.652,76.607 58.661,76.609 58.663,76.617 58.669,76.629 58.686,76.613 58.735,76.595 58.82,76.586 58.905,76.588 58.936,76.593 58.952,76.602 58.967,76.609 58.988,76.603 59.041,76.592 59.134,76.587 59.215,76.59 59.241,76.597 59.258,76.609 59.267,76.629 59.271,76.658 59.268,76.749 59.261,76.808 59.257,76.724 59.254,76.612 59.116,76.617 58.978,76.622 58.983,76.716 58.982,76.789 58.974,76.832 58.963,76.845 58.957,76.835 58.952,76.712 58.95,76.613 58.823,76.613 58.737,76.618 58.713,76.623 58.706,76.629 58.705,76.647 58.69,76.667 58.668,76.679 58.663,76.658 58.656,76.637 58.631,76.639 58.585,76.653 ; 58.649,77.681 58.654,77.663 58.66,77.66 58.675,77.659 58.687,77.644 58.698,77.631 58.723,77.623 58.828,77.62 58.959,77.624 58.829,77.63 58.727,77.641 58.705,77.65 58.699,77.662 58.693,77.681 58.681,77.688 58.667,77.713 58.659,77.774 58.656,77.831 58.65,77.754 58.649,77.681 ; 58.674,77.428 58.678,77.384 58.725,77.371 58.824,77.366 58.923,77.368 58.968,77.379 58.928,77.387 58.833,77.387 58.72,77.388 58.697,77.397 58.685,77.414 58.678,77.429 58.674,77.428 ; 58.681,78.418 58.69,78.423 58.793,78.44 58.843,78.441 58.857,78.439 58.858,78.435 58.752,78.418 58.69,78.415 58.681,78.418 ; 58.689,76.729 58.695,76.773 58.709,76.812 58.728,76.828 58.745,76.824 58.751,76.815 58.725,76.734 58.707,76.702 58.695,76.695 58.689,76.729 ; 58.689,78.127 58.691,78.142 58.702,78.153 58.728,78.162 58.829,78.171 58.923,78.179 58.969,78.193 58.98,78.198 58.992,78.181 59.002,78.14 58.997,78.139 58.985,78.154 58.972,78.17 58.968,78.158 58.961,78.147 58.941,78.14 58.846,78.139 58.754,78.139 58.703,78.13 58.689,78.127 ; 58.693,77.554 58.699,77.487 58.709,77.427 58.721,77.401 58.842,77.402 58.95,77.402 58.95,77.509 58.95,77.617 58.826,77.617 58.735,77.611 58.695,77.598 58.693,77.554 ; 58.694,77.784 58.697,77.838 58.716,77.869 58.759,77.882 58.835,77.886 58.951,77.886 58.946,77.774 58.941,77.662 58.82,77.656 58.744,77.653 58.708,77.663 58.697,77.702 58.694,77.784 ; 58.696,78.556 58.697,78.449 58.827,78.441 58.95,78.441 58.95,78.549 58.95,78.656 58.826,78.656 58.702,78.656 58.696,78.556 ; 58.697,77.146 58.696,77.326 58.701,77.348 58.716,77.36 58.814,77.366 58.899,77.361 58.94,77.349 58.934,77.308 58.906,77.233 58.862,77.133 58.78,77.133 58.722,77.137 58.697,77.146 ; 58.699,76.988 58.699,77.091 58.77,77.094 58.827,77.09 58.838,77.082 58.842,77.069 58.82,77.002 58.795,76.938 58.783,76.909 58.763,76.885 58.739,76.871 58.718,76.872 58.704,76.911 58.699,76.988 ; 58.699,77.921 58.824,77.921 58.95,77.921 58.95,78.029 58.95,78.136 58.824,78.136 58.699,78.136 58.699,78.029 58.699,77.921 ; 58.699,78.178 58.699,78.292 58.699,78.405 58.822,78.405 58.946,78.405 58.943,78.293 58.941,78.181 58.82,78.18 58.699,78.178 ; 58.7,76.83 58.723,76.835 58.748,76.837 58.747,76.809 58.745,76.782 58.767,76.783 58.787,76.788 58.775,76.772 58.766,76.754 58.796,76.748 58.825,76.753 58.829,76.77 58.829,76.784 58.847,76.782 58.871,76.784 58.887,76.809 58.899,76.833 58.913,76.838 58.928,76.84 58.943,76.86 58.953,76.875 58.954,76.869 58.963,76.849 58.996,76.836 59.053,76.831 59.13,76.833 59.227,76.84 59.109,76.843 59.012,76.851 58.996,76.862 58.994,76.881 59.007,76.917 59.038,76.963 59.147,77.069 59.199,77.106 59.208,77.103 59.211,77.086 59.217,77.072 59.234,77.104 59.255,77.141 59.265,77.143 59.277,77.136 59.287,77.128 59.293,77.13 59.298,77.164 59.308,77.204 59.339,77.219 59.369,77.232 59.38,77.258 59.396,77.29 59.435,77.33 59.477,77.362 59.505,77.369 59.548,77.333 59.576,77.312 59.572,77.333 59.572,77.358 59.588,77.373 59.617,77.382 59.636,77.38 59.646,77.364 59.652,77.335 59.663,77.299 59.684,77.285 59.734,77.269 59.75,77.254 59.756,77.237 59.747,77.23 59.725,77.242 59.709,77.252 59.729,77.226 59.753,77.203 59.759,77.201 59.76,77.205 59.765,77.218 59.785,77.219 59.808,77.205 59.82,77.179 59.819,77.15 59.804,77.129 59.795,77.119 59.812,77.115 59.833,77.104 59.836,77.07 59.837,77.041 59.847,77.035 59.856,77.047 59.854,77.062 59.858,77.078 59.879,77.096 59.911,77.104 59.938,77.084 59.952,77.062 59.928,77.067 59.904,77.073 59.918,77.052 59.939,77.034 59.955,77.046 59.966,77.052 59.984,77.047 60.05,76.998 60.114,76.931 60.124,76.905 60.123,76.877 60.122,76.843 60.126,76.837 60.133,76.837 60.14,76.833 60.146,76.812 60.154,76.726 60.157,76.604 60.164,76.725 60.172,76.804 60.187,76.841 60.198,76.845 60.211,76.84 60.247,76.801 60.278,76.769 60.305,76.759 60.329,76.77 60.348,76.803 60.357,76.838 60.356,76.862 60.343,76.874 60.321,76.871 60.303,76.875 60.287,76.898 60.277,76.93 60.277,76.964 60.278,76.973 60.274,76.968 60.266,76.973 60.248,77.003 60.23,77.045 60.223,77.083 60.228,77.12 60.238,77.124 60.253,77.121 60.261,77.12 60.26,77.127 60.231,77.158 60.201,77.191 60.198,77.199 60.204,77.201 60.214,77.202 60.198,77.212 60.17,77.235 60.15,77.271 60.14,77.308 60.146,77.337 60.156,77.367 60.159,77.411 60.156,77.442 60.155,77.446 60.153,77.441 60.146,77.428 60.132,77.429 60.123,77.442 60.126,77.459 60.129,77.47 60.119,77.467 60.098,77.467 60.079,77.484 60.067,77.51 60.068,77.538 60.07,77.566 60.059,77.592 60.051,77.612 60.081,77.619 60.123,77.62 60.082,77.632 60.053,77.645 60.042,77.662 60.036,77.674 60.02,77.68 60.004,77.695 59.997,77.733 59.989,77.775 59.966,77.793 59.948,77.799 59.938,77.814 59.928,77.891 59.923,77.911 59.915,77.913 59.9,77.924 59.881,77.966 59.861,78.057 59.847,78.235 59.841,78.289 59.826,78.263 59.808,78.233 59.798,78.233 59.787,78.242 59.775,78.261 59.785,78.276 59.795,78.297 59.79,78.329 59.776,78.357 59.756,78.369 59.742,78.378 59.726,78.4 59.691,78.474 59.661,78.565 59.646,78.647 59.638,78.709 59.624,78.741 59.616,78.742 59.622,78.728 59.627,78.714 59.615,78.717 59.601,78.734 59.595,78.757 59.6,78.772 59.614,78.772 59.62,78.77 59.621,78.775 59.61,78.801 59.594,78.823 59.591,78.818 59.59,78.803 59.57,78.816 59.555,78.826 59.545,78.825 59.53,78.788 59.511,78.743 59.482,78.706 59.46,78.676 59.458,78.647 59.461,78.63 59.451,78.629 59.439,78.632 59.433,78.621 59.44,78.608 59.455,78.602 59.46,78.6 59.458,78.593 59.433,78.571 59.408,78.549 59.407,78.542 59.414,78.54 59.429,78.534 59.409,78.509 59.389,78.481 59.384,78.456 59.38,78.441 59.363,78.438 59.347,78.437 59.358,78.419 59.369,78.379 59.359,78.326 59.336,78.281 59.321,78.267 59.305,78.262 59.28,78.251 59.272,78.218 59.263,78.181 59.241,78.154 59.22,78.139 59.243,78.144 59.267,78.148 59.255,78.128 59.242,78.101 59.242,78.075 59.244,78.036 59.233,77.98 59.213,77.925 59.19,77.886 59.171,77.872 59.165,77.879 59.196,77.94 59.227,77.984 59.18,77.948 59.147,77.912 59.143,77.895 59.147,77.876 59.154,77.838 59.155,77.796 59.148,77.736 59.138,77.728 59.117,77.732 59.098,77.736 59.111,77.716 59.121,77.7 59.12,77.69 59.088,77.686 59.079,77.661 59.075,77.598 59.069,77.533 59.052,77.487 59.027,77.462 58.995,77.462 58.983,77.463 58.976,77.452 58.976,77.387 58.972,77.307 58.951,77.229 58.922,77.174 58.906,77.161 58.892,77.162 58.88,77.166 58.893,77.145 58.905,77.129 58.906,77.118 58.875,77.098 58.852,77.086 58.851,77.082 58.856,77.08 58.866,77.076 58.872,77.064 58.867,77.012 58.848,76.94 58.837,76.937 58.823,76.954 58.811,76.962 58.815,76.927 58.818,76.895 58.817,76.891 58.814,76.896 58.8,76.912 58.787,76.907 58.78,76.885 58.782,76.85 58.785,76.813 58.764,76.837 58.737,76.862 58.713,76.848 58.7,76.83 ; 58.713,76.622 58.831,76.726 58.95,76.831 58.95,76.721 58.95,76.612 58.831,76.617 58.713,76.622 ; 58.752,78.715 58.77,78.719 58.787,78.722 58.788,78.726 58.857,78.764 58.943,78.8 58.95,78.755 58.94,78.719 58.909,78.702 58.832,78.695 58.77,78.705 58.752,78.715 ; 58.796,77.647 58.828,77.649 58.948,77.653 58.953,77.765 58.961,77.838 58.966,77.856 58.971,77.857 58.979,77.818 58.981,77.75 58.98,77.7 58.985,77.673 59.001,77.659 59.031,77.651 59.036,77.647 59.013,77.644 58.896,77.642 58.798,77.645 58.796,77.647 ; 58.951,78.128 58.957,78.298 58.968,78.369 58.979,78.299 58.982,78.128 58.976,77.957 58.965,77.886 58.955,77.957 58.951,78.128 ; 58.959,77.527 58.962,77.594 58.967,77.602 58.974,77.594 58.98,77.552 58.974,77.496 58.961,77.452 58.959,77.527 ; 58.985,76.613 58.985,76.721 58.985,76.828 59.108,76.828 59.198,76.825 59.242,76.816 59.251,76.78 59.254,76.709 59.254,76.613 59.12,76.613 58.985,76.613 ; 58.985,77.542 58.992,77.603 59.003,77.614 59.02,77.617 59.038,77.615 59.046,77.607 59.036,77.559 59.015,77.505 58.999,77.484 58.989,77.496 58.985,77.542 ; 58.985,77.921 59.062,77.922 59.121,77.926 59.158,77.935 59.177,77.964 59.199,78.016 59.216,78.069 59.22,78.099 59.239,78.121 59.239,78.127 59.218,78.132 59.124,78.136 58.985,78.136 58.985,78.029 58.985,77.921 ; 58.985,78.172 58.985,78.287 58.985,78.401 59.111,78.403 59.238,78.401 59.245,78.355 59.246,78.285 59.24,78.219 59.23,78.186 59.183,78.177 59.097,78.173 58.985,78.172 ; 58.989,77.776 58.991,77.692 59,77.673 59.015,77.663 59.042,77.663 59.068,77.679 59.084,77.703 59.082,77.727 59.08,77.738 59.088,77.742 59.106,77.759 59.124,77.799 59.136,77.842 59.136,77.871 59.109,77.881 59.06,77.882 58.994,77.877 58.989,77.776 ; 58.994,78.701 58.994,78.763 59,78.803 59.026,78.831 59.087,78.853 59.195,78.879 59.252,78.891 59.249,78.796 59.245,78.701 59.12,78.701 58.994,78.701 ; 59.003,76.886 59.007,76.896 59.017,76.9 59.105,76.967 59.209,77.057 59.246,77.079 59.252,77.05 59.251,76.979 59.245,76.879 59.124,76.876 59.039,76.878 59.003,76.886 ; 59.032,78.151 59.057,78.163 59.131,78.17 59.21,78.169 59.226,78.163 59.228,78.155 59.193,78.142 59.13,78.137 59.066,78.14 59.032,78.151 ; 59.275,76.715 59.277,76.796 59.286,76.834 59.292,76.805 59.288,76.724 59.278,76.604 59.275,76.715 ; 59.275,78.561 59.277,78.629 59.286,78.662 59.292,78.639 59.288,78.569 59.277,78.468 59.275,78.561 ; 59.282,77.131 59.351,77.19 59.465,77.299 59.523,77.348 59.53,77.318 59.533,77.245 59.531,77.142 59.407,77.136 59.282,77.131 ; 59.282,78.692 59.282,78.794 59.287,78.871 59.294,78.891 59.304,78.9 59.315,78.9 59.308,78.895 59.294,78.86 59.286,78.789 59.282,78.692 ; 59.288,77.092 59.405,77.095 59.489,77.093 59.527,77.084 59.533,76.974 59.532,76.879 59.416,76.876 59.299,76.873 59.294,76.983 59.288,77.092 ; 59.29,76.595 59.326,76.608 59.416,76.613 59.541,76.613 59.541,76.721 59.536,76.84 59.546,76.85 59.577,76.858 59.605,76.859 59.597,76.848 59.579,76.81 59.572,76.727 59.572,76.622 59.704,76.613 59.798,76.603 59.808,76.597 59.796,76.589 59.741,76.58 59.67,76.58 59.606,76.588 59.571,76.603 59.558,76.612 59.547,76.6 59.533,76.591 59.502,76.584 59.414,76.577 59.329,76.581 59.301,76.587 59.29,76.595 ; 59.29,76.612 59.29,76.72 59.29,76.828 59.411,76.828 59.532,76.828 59.529,76.725 59.526,76.622 59.408,76.617 59.29,76.612 ; 59.29,78.547 59.29,78.656 59.362,78.656 59.412,78.652 59.433,78.643 59.399,78.54 59.365,78.47 59.347,78.452 59.328,78.444 59.307,78.444 59.296,78.456 59.29,78.547 ; 59.29,78.693 59.29,78.789 59.294,78.854 59.312,78.89 59.356,78.904 59.437,78.907 59.488,78.906 59.514,78.901 59.52,78.886 59.515,78.859 59.479,78.754 59.464,78.723 59.446,78.705 59.418,78.698 59.373,78.695 59.29,78.693 ; 59.292,78.338 59.294,78.377 59.303,78.401 59.317,78.407 59.332,78.392 59.331,78.367 59.317,78.325 59.293,78.271 59.292,78.338 ; 59.313,77.122 59.334,77.13 59.401,77.133 59.474,77.13 59.511,77.121 59.49,77.113 59.423,77.111 59.35,77.114 59.313,77.122 ; 59.537,77.104 59.54,77.13 59.552,77.144 59.57,77.146 59.587,77.13 59.591,77.113 59.581,77.101 59.573,77.093 59.569,77.074 59.571,77.006 59.574,76.94 59.57,76.923 59.562,76.918 59.548,76.94 59.542,76.994 59.537,77.104 ; 59.541,77.221 59.546,77.26 59.559,77.276 59.572,77.263 59.577,77.233 59.572,77.198 59.559,77.178 59.552,77.177 59.546,77.185 59.541,77.221 ; 59.571,76.833 59.609,76.841 59.69,76.843 59.801,76.841 59.682,76.83 59.6,76.826 59.571,76.833 ; 59.575,76.828 59.58,76.725 59.586,76.622 59.707,76.617 59.828,76.612 59.828,76.72 59.828,76.828 59.701,76.828 59.575,76.828 ; 59.575,77.094 59.701,77.092 59.828,77.091 59.828,76.982 59.828,76.873 59.707,76.875 59.586,76.876 59.58,76.985 59.575,77.094 ; 59.577,78.903 59.586,78.904 59.6,78.89 59.608,78.852 59.618,78.798 59.635,78.748 59.65,78.724 59.668,78.709 59.738,78.701 59.819,78.701 59.819,78.8 59.819,78.898 59.711,78.907 59.586,78.908 59.577,78.903 ; 59.579,77.23 59.582,77.301 59.59,77.334 59.619,77.32 59.669,77.277 59.785,77.176 59.836,77.138 59.709,77.135 59.582,77.132 59.579,77.23 ; 59.689,78.641 59.697,78.65 59.755,78.656 59.828,78.656 59.828,78.549 59.821,78.457 59.809,78.444 59.786,78.441 59.764,78.444 59.748,78.456 59.722,78.517 59.691,78.625 59.689,78.641 ; 59.774,78.389 59.778,78.4 59.788,78.405 59.816,78.393 59.824,78.366 59.827,78.317 59.826,78.253 59.8,78.313 59.774,78.389 ; 59.775,78.417 59.791,78.42 59.82,78.431 59.842,78.452 59.857,78.472 59.869,78.452 59.88,78.438 59.903,78.429 59.993,78.419 60.105,78.415 59.984,78.415 59.898,78.409 59.863,78.396 59.86,78.387 59.85,78.396 59.829,78.409 59.796,78.416 59.775,78.417 ; 59.817,78.682 59.83,78.704 59.845,78.72 59.846,78.717 59.855,78.71 59.885,78.703 59.993,78.692 60.12,78.69 60.142,78.696 60.146,78.71 60.146,78.725 60.156,78.714 60.185,78.698 60.236,78.689 60.303,78.687 60.231,78.676 60.19,78.668 60.167,78.655 60.156,78.627 60.149,78.576 60.139,78.486 60.131,78.576 60.123,78.665 59.998,78.665 59.873,78.665 59.862,78.576 59.851,78.486 59.848,78.58 59.841,78.648 59.834,78.667 59.826,78.674 59.817,78.682 ; 59.827,78.642 59.833,78.663 59.841,78.627 59.843,78.559 59.84,78.468 59.83,78.572 59.827,78.642 ; 59.85,76.642 59.85,76.715 59.857,76.801 59.86,76.707 59.864,76.613 59.988,76.613 60.079,76.608 60.123,76.595 60.12,76.588 60.099,76.582 60.01,76.577 59.921,76.582 59.871,76.601 59.857,76.618 59.85,76.642 ; 59.862,78.656 59.867,78.553 59.873,78.45 60.002,78.445 60.132,78.44 60.132,78.548 60.132,78.656 59.997,78.656 59.862,78.656